# Altium PCB NGIStepDownPCB.PcbDoc (part 2 of 2)
Units mm, origin at the board's own origin, x right, y up, seen from the top; angles counter-clockwise.
Board outline 160 x 100 mm, 2 copper layers (Top Layer, Bottom Layer); 156 components, 77 nets, 437 pads, 449 vias.
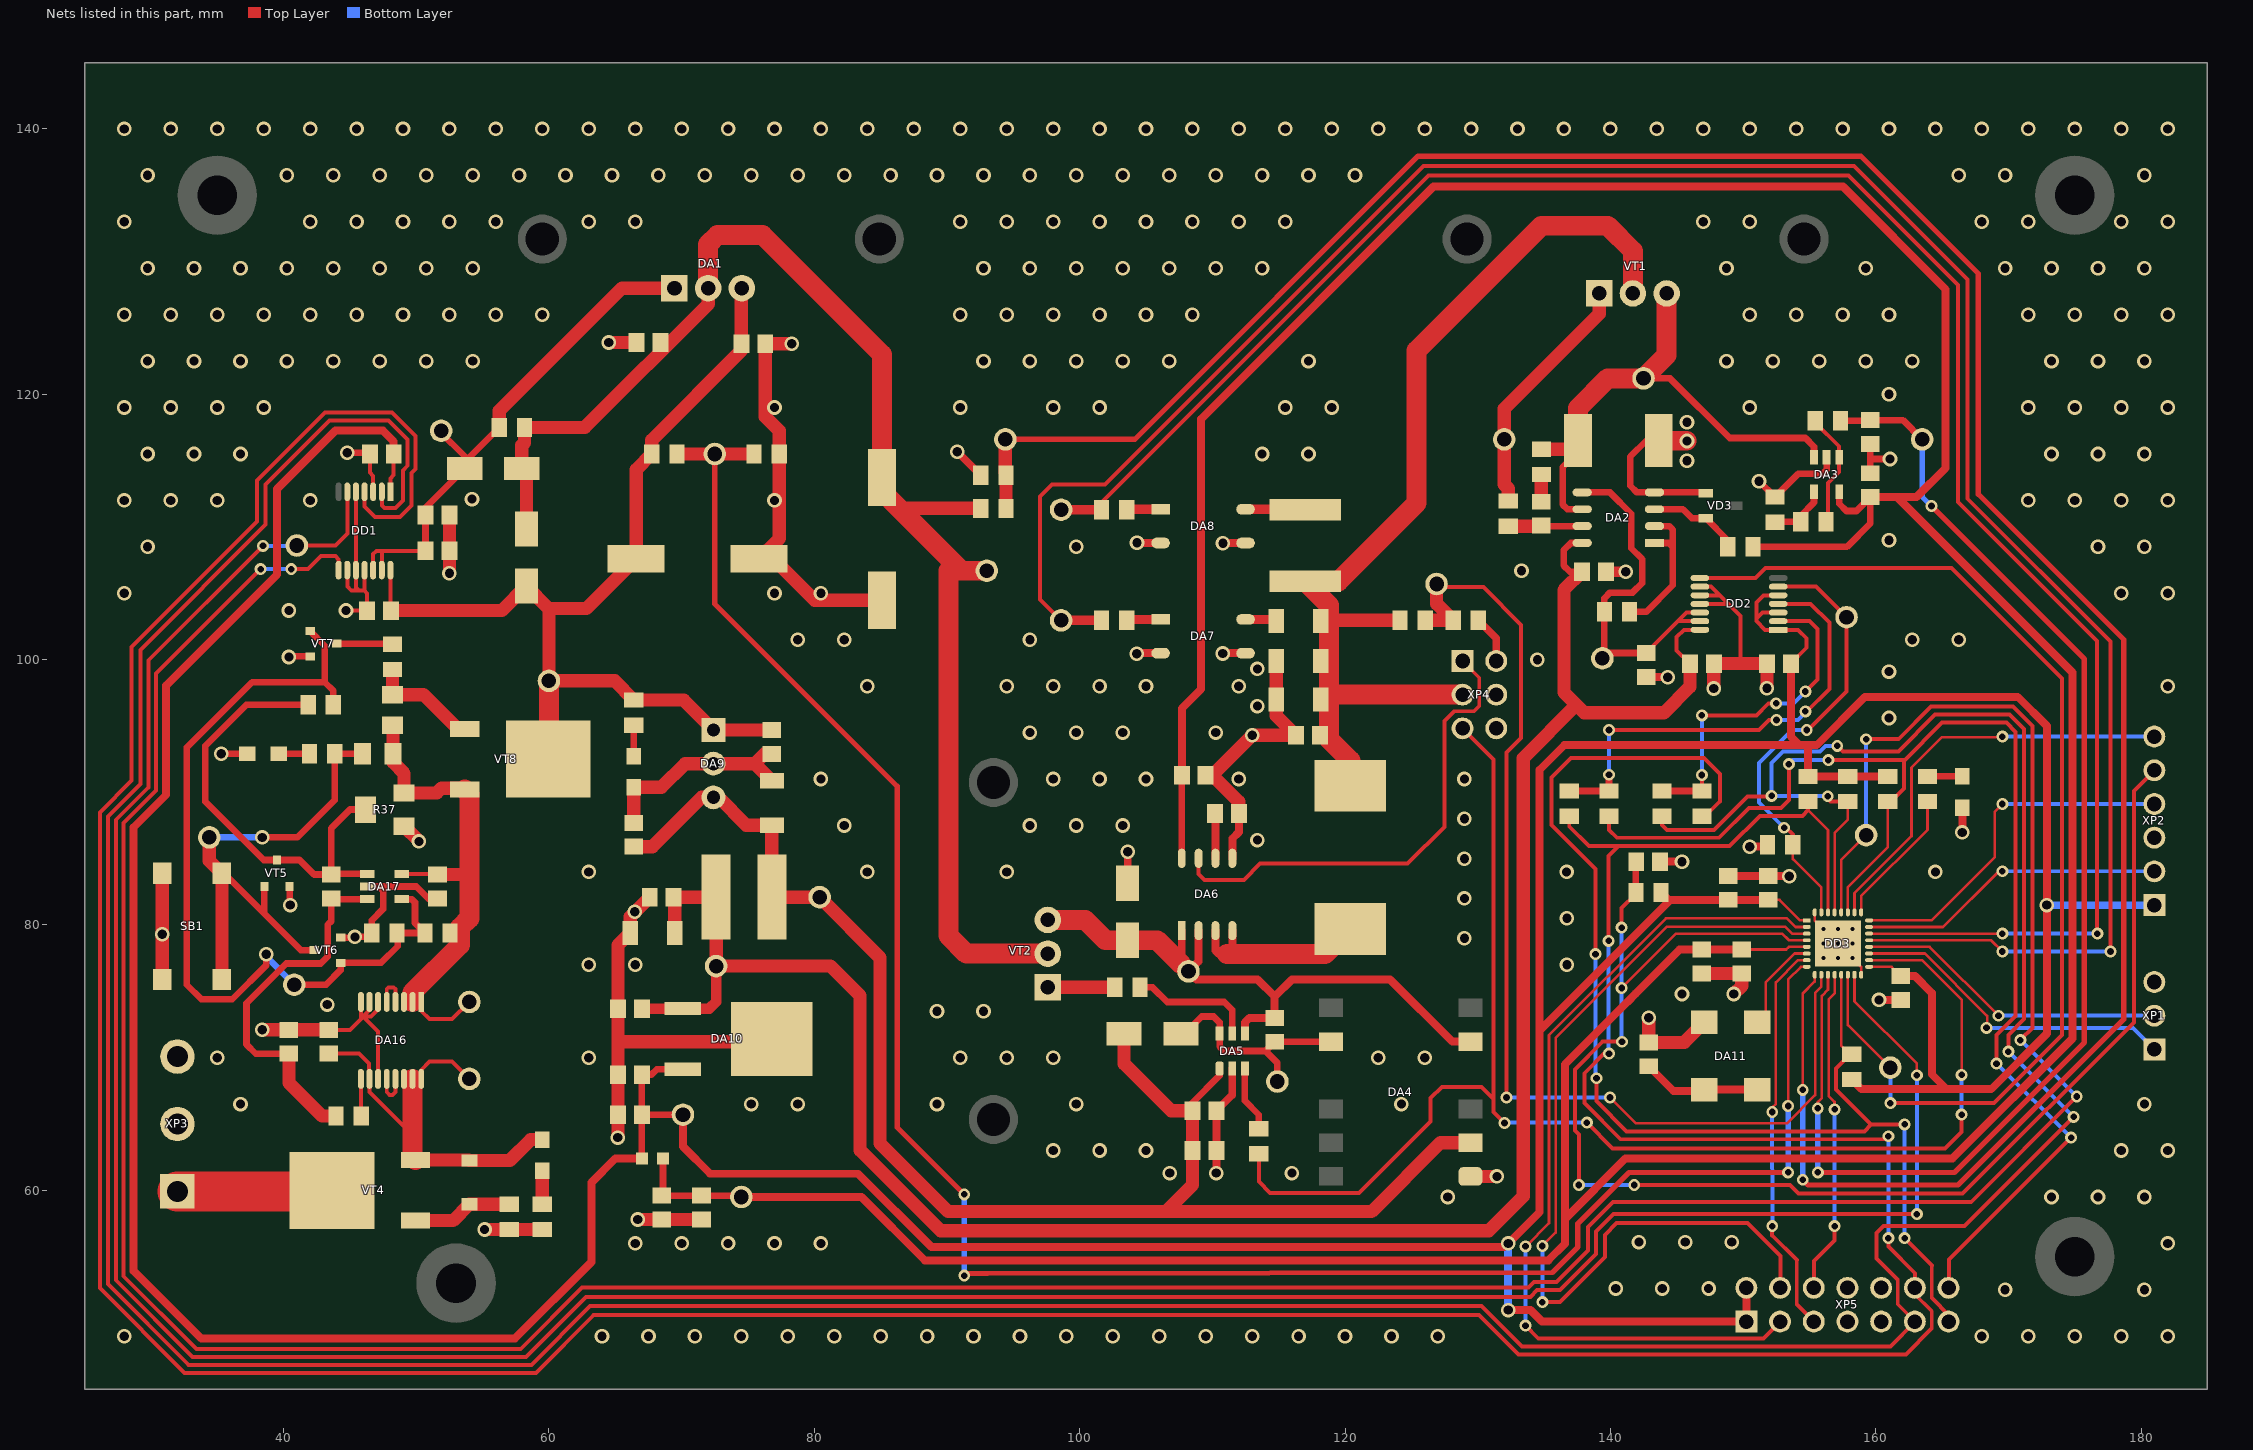
[diagram p2: the nets of this part, all layers, seen from the top]

## Via types
v1: diameter 1.1, hole 0.7, Top Layer to Bottom Layer, tented both sides, 367 vias
v2: diameter 0.9, hole 0.5, Top Layer to Bottom Layer, tented both sides, 73 vias
v3: diameter 0.7, hole 0.3, Top Layer to Bottom Layer, 9 vias

## Nets (pads, with @x,y where several pads share a name; then routed paths per layer and width w, separated by ;. In a path a pad name is that pad's centre, name@x,y a point inside that pad or via, vN(x,y) a via of type N, cw(c..) or ccw(c..) an arc to the next point about the centre after c; other vN are vias at no path point)
+3.3V: C7.2 C9.2 C32.2 C33.2 C36.2 C37.2 C38.2 DA10.3 DD1.1 DD2.1 DD2.3 DD2.5 DD3.1 DD3.17 FB1.1 R20.2 R22.1 R23.2 R24.1 R25.1 TP8.1 XP2.1 XP5.1 XP5.2 | length 425.4
  Top Layer w0.2: C37.2@151.9,81.9 152.75,81.9 154.3,80.35 DD3.1@154.8,80.35 ; DD3.17@159.5,76.85 161.2,76.85 C38.2@161.9,76.15
  Top Layer w0.3: DD1.1@48.05,112.65 48.05,113.65 48.3,113.9 C7.2@48.3,115.5 ; DD2.3@152.65,103.55 151.45,103.55 151,103.1 ; DD2.5@152.65,104.85 151.55,104.85 151,104.3 151,103.1 ; C9.2@153.6,99.7 154.8,100.9 154.8,101.6 154.15,102.25 DD2.1@152.65,102.25 151.65,102.25 151,102.9 151,103.1
  Top Layer w0.5: FB1.1@67,62.4 C33.2@67,65.7 ; TP8.1@70.1,65.7 C33.2@67,65.7 ; DA10.3@70.1,69.12 68.12,69.12 67.7,68.7 C32.2@67,68.7 C33.2@67,65.7
  Top Layer w0.6: C7.2@48.3,115.5 48.3,116.45 47.475,117.275 43.915,117.275 39.5,112.86 39.5,106.4 31.15,98.05 31.15,89.817 28.7,87.367 28.7,53.925 33.8,48.825 57.425,48.825 63.2,54.6 63.2,60.6 65,62.4 FB1.1@67,62.4 ; TP8.1@70.1,65.7 70.1,63.3 72.15,61.25 83.3,61.25 88.825,55.725 v1@131.975,55.725 ; v1(132.3,50.975) 133.99,50.975 134.855,50.11 XP5.1@150.25,50.11 XP5.2@150.25,52.65 ; v1(132.3,56) 134.675,58.375 134.675,72.05 ; R20.2@143.825,82.45 144.375,81.9 144.525,81.9 ; C37.2@151.9,81.9 C36.2@148.9,81.9 144.525,81.9 ; C9.2@153.6,99.7 153.6,94.2 154.25,93.55 ; 154.9,93.425 R22.1@154.9,91.2 R23.2@157.9,91.2 R24.1@160.9,91.2 ; R25.1@158.25,68.3 158.925,67.625 165.35,67.625 ; C38.2@161.9,76.15 162.95,76.15 164.225,74.875 164.225,68.75 165.35,67.625 ; 134.675,72.05 134.675,91.7 136.525,93.55 154.25,93.55 ; 134.675,72.05 144.525,81.9 ; 154.25,93.55 155.55,93.55 159.2,97.2 170.7,97.2 172.9,95 v1(172.9,81.5) 172.9,73.15 172.9,71.825 168.7,67.625 165.35,67.625
  Bottom Layer w0.6: v1(132.3,50.975) v1(132.3,56) ; v1@172.9,81.477 XP2.1@181,81.5
+12V: C16.2 C17.1 C27.2 C28.2 DA4.2 DA5.1 DA9.3 L2.1 TP6.1 VD5.A | length 112.4
  Top Layer w0.5: C16.2@108.5,66 108.5,66.6 110.55,68.65 DA5.1@110.55,69.175
  Top Layer w1: C28.2@66.4,85.9 67.8,85.9 71.52,89.62 DA9.3@72.4,89.62 72.78,89.62 74.875,87.525 C27.2@76.8,87.525 L2.1@76.8,82.1 TP6.1@80.4,82.1 84.95,77.55 84.95,63.55 90.1,58.4 106.5,58.4 ; VD5.A@103.35,71.8 103.35,69.55 106.9,66 C16.2@108.5,66 C17.1@108.5,63 108.5,60.4 106.5,58.4 ; DA4.2@129.45,63.59 127.19,63.59 122,58.4 106.5,58.4
+24V: VT4.2 XP3.1 | length 11.7
  Top Layer w3: XP3.1@32,59.92 43.57,59.92 VT4.2@43.65,60
+24V_Protect: C1.1 C2.1 C8.2 C26.2 DA1.3 DA9.1 DD1.14 R1.1 R44.2 TP3.1 VD1.C VT8.2 | length 78
  Top Layer w0.3: DD1.14@48.05,106.75 48.05,103.75 C8.2@48.1,103.7
  Top Layer w1: C8.2@48.1,103.7 56.45,103.7 VD1.C@58.3,105.55 60,103.85 ; DA1.3@74.54,128 74.5,127.96 C2.1@74.5,123.8 74.5,123.3 67.75,116.55 R1.1@67.75,115.5 66.575,114.325 C1.1@66.575,107.6 62.825,103.85 60,103.85 ; C26.2@76.8,94.7 DA9.1@72.4,94.7 70.15,96.95 R44.2@66.4,96.95 64.95,98.4 TP3.1@60,98.4 60,103.85
  Top Layer w1.5: VT8.2@59.95,92.5 60,92.55 TP3.1@60,98.4
+A3.3V: C14.2 C19.2 C34.2 C35.2 C39.2 C40.2 DA3.5 DA6.8 DD3.5 FB1.2 R6.2 TP9.1 | length 334.8
  Top Layer w0.2: C40.2@149.9,78.15 153.25,78.15 153.45,78.35 DD3.5@154.8,78.35
  Top Layer w0.5: FB1.2@68.6,62.4 68.6,59.7 C35.2@68.5,59.6 C34.2@71.5,59.6 74.4,59.6 TP9.1@74.5,59.5 ; DA6.8@107.695,85.025 107.695,91.295 C19.2@107.7,91.3 ; R6.2@150.75,108.5 157.825,108.5 159.6,110.275 C14.2@159.6,112.25 158.55,111.2 157.8,111.2 157.25,111.75 DA3.5@157.25,112.65
  Top Layer w0.6: TP9.1@74.5,59.5 83.55,59.5 88.325,54.725 135.325,54.725 136.575,55.975 136.575,57.85 ; C19.2@107.7,91.3 107.7,96.325 109.15,97.775 109.15,118.125 126.675,135.65 157.525,135.65 165.275,127.9 165.275,114.45 163.075,112.25 161.6,112.25 ; C40.2@149.9,78.15 C39.2@146.9,78.15 145.225,78.15 141.9,74.825 141.9,74.815 141.285,74.2 141.275,74.2 136.575,69.5 136.575,57.85 ; C14.2@159.6,112.25 161.6,112.25 ; 136.575,57.85 141.125,62.4 165.772,62.4 174.825,71.453 174.825,99.025 161.6,112.25
+A12V: C10.2 C13.2 C29.2 C30.2 C31.2 DA2.8 DA10.1 DD2.14 L2.2 TP7.1 | length 166.4
  Top Layer w0.3: C10.2@146,99.7 145,100.7 145,101.7 145.55,102.25 DD2.14@146.75,102.25
  Top Layer w0.5: C13.2@137.875,106.625 136.95,106.625 136.475,107.1 136.475,108.25 137.02,108.795 DA2.8@137.875,108.795
  Top Layer w0.8: C31.2@67,73.7 DA10.1@70.1,73.7 72.075,73.7 72.6,74.225 TP7.1@72.6,76.9
  Top Layer w1: C29.2@69.475,79.4 69.475,82.025 C30.2@69.4,82.1 L2.2@72.6,82.1 TP7.1@72.6,76.9 81.225,76.9 83.45,74.675 83.45,63.025 89.525,56.95 130.825,56.95 133.425,59.55 133.425,92.575 137.438,96.588 ; C13.2@137.875,106.625 136.5,105.25 136.5,97.525 137.438,96.588 ; C10.2@146,99.7 146,97.95 144.05,96 138.025,96 137.438,96.588
+Vdc_dc: C21.2 C22.2 C23.2 C24.2 C25.2 L1.2 R18.2 VT1.2 XP4.3 | length 78.9
  Top Layer w1: 118.8,102.9 118.86,102.96 R18.2@124.15,102.96
  Top Layer w1.5: L1.2@120.4,90.5 120.4,92.4 118.8,94 118.8,97 ; XP4.3@128.86,97.36 119.16,97.36 118.8,97 ; VT1.2@141.7,127.6 141.7,130.8 139.8,132.7 134.8,132.7 125.4,123.3 125.4,111.8 119.5,105.9 C25.2@117,105.9 118.8,104.1 118.8,102.9 118.8,97
+Vin_PolProt: C53.2 DA16.10 DA16.14 DA16.15 DA16.16 TP1.1 VD8.1 VD9.A VT4.3 | length 32.3
  Top Layer w0.3: C53.2@43.4,70.3 45.7,70.3 46.45,69.55 46.45,68.425 DA16.10@46.475,68.4 46.475,67.425 49.725,64.175 ; DA16.15@49.725,68.4 DA16.16@50.375,68.4 50.375,69.075 51,69.7 52.7,69.7 TP1.1@54,68.4
  Top Layer w1: VT4.3@49.95,62.28 53.97,62.28 VD8.1@54,62.25 57.05,62.25 58.625,63.825 VD9.A@59.5,63.825
  Top Layer w1.5: DA16.15@49.725,68.4 49.725,64.175 49.725,62.505 VT4.3@49.95,62.28
+Vin_PolProt_Isens: C55.2 DA16.1 DA16.2 DA16.3 DA17.5 R37.3 R39.2 R40.2 R42.2 TP2.1 VT8.3 | length 38.5
  Top Layer w0.3: DA17.5@48.9,83.85 51.55,83.85 C55.2@51.6,83.8 ; DA16.1@50.375,74.2 50.375,73.525 51,72.9 52.7,72.9 TP2.1@54,74.2
  Top Layer w1: R42.2@48.2,95.05 48.25,95 R40.2@48.25,92.9 48.25,92.25 49.075,91.425 R37.3@49.075,89.95 51.55,89.95 51.9,90.3 53.57,90.3 VT8.3@53.65,90.22 ; C55.2@51.6,83.8 53.6,83.8 54,83.4
  Top Layer w1.5: DA16.2@49.725,74.2 49.725,74.925 53.3,78.5 53.3,79.8 54,80.5 54,83.4 54,89.87 VT8.3@53.65,90.22
+Vvar: C5.1 C6.2 DA1.2 R3.2 R4.1 TP10.1 VD1.A VD2.C VT2.2 | length 110.6
  Top Layer w1: VD1.A@58.3,109.85 58.3,114.05 VD2.C@57.95,114.4 57.95,116.15 58.15,116.35 R3.2@58.15,117.5 62.7,117.5 72,126.8 DA1.2@72,128 ; 86.4,111.4 R4.1@92.55,111.4
  Top Layer w1.5: DA1.2@72,128 72,131.3 72.7,132 76.1,132 85.1,123 C5.1@85.1,113.725 85.1,112.7 86.4,111.4 91.1,106.7 ; TP10.1@93,106.7 91.1,106.7 ; VT2.2@97.6,77.84 91.46,77.84 90.1,79.2 90.1,106.7 91.1,106.7
CLK_IN: DA11.3 DD3.6 | length 7.3
  Top Layer w0.2: DA11.3@151.075,72.665 151.7,73.29 151.7,75.675 153.875,77.85 DD3.6@154.8,77.85
Comp: DA17.4 R38.2 R39.1 R45.2 TP4.1 VT6.1 VT7.1 | length 64.3
  Top Layer w0.5: v1(38.7,77.8) 38.7,76.972 36.128,74.4 33.8,74.4 32.7,75.5 32.7,93.375 37.625,98.3 43.1,98.3 ; TP4.1@40.8,75.5 43.2,75.5 44.3,76.6 VT6.1@44.3,77.15 47.35,77.15 48.6,78.4 48.6,79.35 R45.2@48.55,79.4 R39.1@50.65,79.4 49.9,80.15 49.9,81.7 49.65,81.95 DA17.4@48.9,81.95 ; VT7.1@42,102.15 43.1,101.05 43.1,98.3 ; R38.2@43.75,96.6 43.75,97.65 43.1,98.3
  Bottom Layer w0.5: v1(38.7,77.8) 38.7,77.6 TP4.1@40.8,75.5
GND: C1.2 C2.2 C3.1 C4.1 C5.2 C6.1 C7.1 C8.1 C9.1 C10.1 C11.1 C13.1 C14.1 C15.1 C16.1 C17.2 C19.1 C20.1 C21.1 C22.1 C23.1 C26.1 C27.1 C28.1 C29.1 C30.1 C31.1 C32.1 C33.1 C34.1 C35.1 C36.1 C37.1 C38.1 C39.1 C40.1 C41.1 C42.1 C53.1 C54.1 C55.1 DA2.4 DA3.2 DA4.1 DA5.2 DA6.5 DA7.2 DA7.3 DA8.2 DA8.3 DA9.2 DA10.2 DA11.2 DA16.6 DA16.7 DA16.8 DA16.11 DA17.2 DD1.3 DD1.5 DD1.9 DD1.10 DD1.11 DD2.9 DD2.10 DD2.11 DD3.16 DD3.32 DD3.33 R2.2 R5.2 R10.1 R11.2 R19.1 R21.2 R34.1 R35.1 R37.1 R45.1 SB1.1 SB1.2 VD3.1 VD4.A VD7.C VD10.C VD11.C VT5.2 VT6.2 VT7.2 XP1.3 XP2.3 XP3.2 XP3.3 XP4.2 XP4.4 XP4.6 XP5.7 XP5.8 XP5.9 XP5.10 | length 278.6
  Top Layer w0.2: DD3.32@155.4,80.95 155.4,80.35 v3(156.05,79.7) v3(157.15,78.6) v3(158.25,77.5) 158.9,76.85 DD3.16@158.9,76.25
  Top Layer w0.3: C53.1@43.4,72.1 45,72.1 45.825,72.925 ; v1(44.7,103.7) C8.1@46.3,103.7 46.3,105 46.1,105.2 ; DD1.9@44.8,106.75 44.8,105.5 45.1,105.2 45.7,105.2 ; DD1.5@45.45,112.65 DD1.10@45.45,106.75 45.45,105.45 45.7,105.2 ; DA16.8@45.825,74.2 45.825,72.925 ; DD1.11@46.1,106.75 46.1,105.2 ; DA16.7@46.475,74.2 46.475,73.575 46,73.1 ; C7.1@46.5,115.5 46.5,114.1 46.75,113.85 DD1.3@46.75,112.65 ; DA16.11@47.125,68.4 47.125,71.975 46,73.1 ; DA16.6@47.125,74.2 47.125,73.625 46.6,73.1 46,73.1 ; DD2.11@146.75,104.2 148.9,104.2 ; DD2.10@146.75,104.85 148.25,104.85 ; DD2.9@146.75,105.5 147.6,105.5 148.25,104.85 ; 149.8,99.7 149.8,103.3 148.9,104.2 ; 45.7,105.2 46.1,105.2 ; 45.825,72.925 46,73.1 ; 148.25,104.85 148.9,104.2
  Top Layer w0.5: v1(35.3,92.9) VD10.C@37.275,92.9 ; v1(40.4,100.2) 40.35,100.25 VT7.2@42,100.25 ; VT5.2@40.45,82.9 40.45,81.55 v1(40.5,81.5) ; VT6.2@44.2,79.05 45.325,79.05 v1(45.375,79.1) 46.35,79.1 R45.1@46.65,79.4 46.65,80.35 47.5,81.2 47.5,82.6 47.2,82.9 ; v1(44.8,115.6) 46.4,115.6 C7.1@46.5,115.5 ; DA17.2@46.3,82.9 47.2,82.9 ; C55.1@51.6,82 50.9,82 50,82.9 47.2,82.9 ; R10.1@143.65,116.5 142.7,116.5 141.5,115.3 141.5,113.1 141.995,112.605 DA2.4@143.325,112.605 147.145,112.605 VD3.1@147.2,112.55 ; v1(151.2,113.45) R11.2@152.4,112.25 154.15,114 156,114 156.3,114.3 DA3.2@156.3,115.25 ; C14.1@159.6,114.05 159.6,115.125 ; C15.1@159.6,116.25 159.6,115.125 ; v1(161.075,115.125) 159.6,115.125
  Top Layer w0.6: v1(90.775,115.675) R5.2@92.55,113.9 ; VD4.A@103.6,83.15 103.625,83.175 v1(103.625,85.525) ; v1(104.3,100.45) 104.34,100.49 DA7.2@106.1,100.49 ; v1(104.325,108.8) 104.335,108.79 DA8.2@106.1,108.79 ; v1(110.3,61.3) C17.2@110.3,63 C16.1@110.3,66 111.5,67.2 DA5.2@111.5,69.175 ; v1(110.79,100.465) 110.79,100.49 DA7.3@112.5,100.49 ; v1(110.8,108.775) 110.815,108.79 DA8.3@112.5,108.79 ; DA6.5@111.505,85.025 111.505,86.505 112,87 C20.1@112,88.4 ; R19.1@130.05,102.96 131.4,101.61 XP4.2@131.4,99.9 ; C11.1@142.7,98.7 142.725,98.675 v1(144.325,98.675) ; C41.1@143.75,84.775 v1(145.4,84.775) ; C36.1@148.9,83.7 C37.1@151.9,83.7 v1@153.45,83.7 ; v1(150.5,85.9) 151.55,85.9 151.625,85.975 R21.2@151.65,85.95 ; v1(160.25,74.35) C38.1@161.9,74.35 ; v1(166.525,86.975) VD7.C@166.525,88.85
  Top Layer w0.8: C13.1@139.675,106.625 v1(141.15,106.625)
  Top Layer w1: SB1.1@30.85,75.9 v1(30.85,79.3) SB1.2@30.85,83.9 ; v1(38.4,72.1) C54.1@40.4,72.1 C53.1@43.4,72.1 ; R37.1@49.075,87.45 50.225,86.3 v1(50.2,86.3) ; v1(52.5,106.5) C4.1@52.5,108.2 C3.1@52.5,110.9 ; v1(55.15,57.05) R34.1@57,57.05 R35.1@59.5,57.05 ; v1(64.5,123.9) C6.1@66.6,123.9 ; v1(65.175,63.975) 65.2,64 C33.1@65.2,65.7 C32.1@65.2,68.7 65.2,71.2 ; C28.1@66.4,87.7 VD11.C@66.4,90.375 68.475,90.375 70.26,92.16 DA9.2@72.4,92.16 75.515,92.16 ; v1(66.7,57.8) C35.1@68.5,57.8 C34.1@71.5,57.8 ; C30.1@67.6,82.1 66.5,81 v1(66.475,81) 66.475,80.975 66.125,80.625 C29.1@66.125,79.4 65.2,78.475 C31.1@65.2,73.7 65.2,71.2 ; DA10.2@76.8,71.41 76.59,71.2 65.2,71.2 ; C27.1@76.8,90.875 75.515,92.16 ; C26.1@76.8,92.9 76.255,92.9 75.515,92.16 ; v1(78.3,123.8) C2.2@76.3,123.8 76.3,118.3 77.35,117.25 R2.2@77.35,115.5 77.35,109.125 C1.2@75.825,107.6 76.9,107.6 80.025,104.475 C5.2@85.1,104.475 ; C19.1@109.5,91.3 C19.1@110,91.3 ; C20.1@112,88.4 112,89.3 C19.1@110,91.3 ; C22.1@114.825,99.9 C21.1@114.825,97 114.825,95.775 C23.1@116.3,94.3 v1(113,94.3) C19.1@110,91.3 ; DA4.1@129.45,61.05 v1(131.45,61.05) ; v1(142.9,73) C42.1@142.9,71.15 145.56,71.15 DA11.2@147.075,72.665 ; C39.1@146.9,76.35 C40.1@149.9,76.35 149.9,75.4 v1(149.3,74.8) ; v1(147.8,97.825) C10.1@147.8,99.7 149.8,99.7 C9.1@151.8,99.7 v1(151.8,97.85)
  Top Layer w1.5: R10.1@143.65,116.5 v1@145.75,116.5
  other v1: 28,49 64,49 67.5,49 71,49 74.5,49 78,49 81.5,49 85,49 88.5,49 92,49 95.5,49 99,49 102.5,49 106,49 109.5,49 113,49 116.5,49 120,49 123.5,49 127,49 168,49 171.5,49 175,49 178.5,49 182,49 169.75,52.5 180.25,52.5 140.4,52.6 143.9,52.6 147.4,52.6 66.5,56 70,56 73.5,56 77,56 80.5,56 182,56 142.15,56.1 145.65,56.1 149.15,56.1 127.75,59.5 173.25,59.5 176.75,59.5 180.25,59.5 106.8,61.3 116,61.3 98,63 101.5,63 105,63 178.5,63 182,63 36.75,66.5 75.25,66.5 78.75,66.5 89.25,66.5 99.75,66.5 124.25,66.5 180.25,66.5 35,70 63,70 91,70 94.5,70 98,70 122.5,70 126,70 89.25,73.5 92.75,73.5 43.3,74 145.4,74.8 63,77 66.5,77 136.725,77 129,79 136.725,80.5 129,82 153.475,83.675 63,84 84,84 94.5,84 136.7,84 164.5,84 129,85 113.4,86.4 82.25,87.5 96.25,87.5 99.75,87.5 103.25,87.5 129,88 80.5,91 98,91 101.5,91 105,91 112,91 129,91 96.25,94.5 99.75,94.5 103.25,94.5 110.25,94.5 161,95.6 113.4,96.5 84,98 94.5,98 98,98 101.5,98 105,98 112,98 182,98 161,99.1 113.4,99.3 134.5,100 78.75,101.5 82.25,101.5 96.25,101.5 162.75,101.5 166.25,101.5 40.4,103.7 28,105 77,105 80.5,105 178.5,105 182,105 133.3,106.7 29.75,108.5 99.75,108.5 176.75,108.5 180.25,108.5 161,109 28,112 31.5,112 35,112 42,112 77,112 171.5,112 175,112 178.5,112 182,112 54.2,112.1 145.775,115 29.75,115.5 33.25,115.5 36.75,115.5 113.75,115.5 117.25,115.5 173.25,115.5 176.75,115.5 180.25,115.5 145.775,116.475 145.775,117.9 28,119 31.5,119 35,119 38.5,119 77,119 91,119 98,119 101.5,119 115.5,119 119,119 150.5,119 171.5,119 175,119 178.5,119 182,119 161,120 29.75,122.5 33.25,122.5 36.75,122.5 40.25,122.5 43.75,122.5 47.25,122.5 50.75,122.5 54.25,122.5 92.75,122.5 96.25,122.5 99.75,122.5 103.25,122.5 106.75,122.5 117.25,122.5 148.75,122.5 152.25,122.5 155.75,122.5 159.25,122.5 162.75,122.5 173.25,122.5 176.75,122.5 180.25,122.5 28,126 31.5,126 35,126 38.5,126 42,126 45.5,126 49,126 52.5,126 56,126 59.5,126 91,126 94.5,126 98,126 101.5,126 105,126 108.5,126 150.5,126 154,126 157.5,126 161,126 171.5,126 175,126 178.5,126 182,126 29.75,129.5 33.25,129.5 36.75,129.5 40.25,129.5 43.75,129.5 47.25,129.5 50.75,129.5 54.25,129.5 92.75,129.5 96.25,129.5 99.75,129.5 103.25,129.5 106.75,129.5 110.25,129.5 113.75,129.5 148.75,129.5 159.25,129.5 169.75,129.5 173.25,129.5 176.75,129.5 180.25,129.5 28,133 42,133 45.5,133 49,133 52.5,133 56,133 63,133 66.5,133 91,133 94.5,133 98,133 101.5,133 105,133 108.5,133 112,133 115.5,133 147,133 150.5,133 168,133 171.5,133 178.5,133 182,133 29.75,136.5 40.25,136.5 43.75,136.5 47.25,136.5 50.75,136.5 54.25,136.5 57.75,136.5 61.25,136.5 64.75,136.5 68.25,136.5 71.75,136.5 75.25,136.5 78.75,136.5 82.25,136.5 85.75,136.5 89.25,136.5 92.75,136.5 96.25,136.5 99.75,136.5 103.25,136.5 106.75,136.5 110.25,136.5 113.75,136.5 117.25,136.5 120.75,136.5 166.25,136.5 169.75,136.5 180.25,136.5 28,140 31.5,140 35,140 38.5,140 42,140 45.5,140 49,140 52.5,140 56,140 59.5,140 63,140 66.5,140 70,140 73.5,140 77,140 80.5,140 84,140 87.5,140 91,140 94.5,140 98,140 101.5,140 105,140 108.5,140 112,140 115.5,140 119,140 122.5,140 126,140 129.5,140 133,140 136.5,140 140,140 143.5,140 147,140 150.5,140 154,140 157.5,140 161,140 164.5,140 168,140 171.5,140 175,140 178.5,140 182,140
  other v3: 156.05,77.5 157.15,77.5 156.05,78.6 158.25,78.6 157.15,79.7 158.25,79.7
I2C1_SCL: DD1.2 DD3.29 R23.1 R48.1 XP5.11 | length 335.6
  Top Layer w0.2: DD3.29@156.9,80.95 156.9,86.943 157.9,87.943 R23.1@157.9,89.3
  Top Layer w0.27: 161.65,53.275 161.67,53.255 161.67,51.41 XP5.11@162.98,50.1
  Top Layer w0.3: DD1.2@47.4,112.65 47.4,111.625 47.6,111.425 48.425,111.425 49,112 49,114.264 49.35,114.614 49.35,116.597 47.922,118.025 43.475,118.025 38.65,113.2 38.65,110.175 29.2,100.725 29.2,90.625 26.75,88.175 26.75,52.95 32.85,46.85 58.675,46.85 63.1,51.275 130.3,51.275 133.34,48.235 161.115,48.235 XP5.11@162.98,50.1 ; R48.1@143.9,88.2 143.9,87.55 144.275,87.175 147.825,87.175 150.329,89.679 v2@152.157,89.679 ; v2(156.383,89.704) 156.383,89.492 156.575,89.3 R23.1@157.9,89.3 ; v2(157.1,93.5) 157.525,93.075 161.7,93.075 164.475,95.85 170.096,95.85 171.175,94.771 171.175,72.9 170,71.725 v2(170,70.45) ; 161.65,53.275 160.05,54.875 160.05,56.773 160.577,57.3 166.675,57.3 v2(174.913,65.538)
  Bottom Layer w0.3: v2(156.383,89.704) 152.182,89.704 v2(152.157,89.729) 152.157,92.207 153.025,93.075 155.802,93.075 156.227,93.5 v2(157.1,93.5) ; v2(170,70.45) v2(174.913,65.538)
I2C1_SDA: DD1.4 DD3.30 R22.2 R49.1 XP5.12 | length 325.9
  Top Layer w0.2: 154.9,88.65 156.4,87.15 DD3.30@156.4,80.95
  Top Layer w0.27: XP5.12@162.95,52.65 162.95,52.175 164.225,50.9 164.225,49.598
  Top Layer w0.3: DD1.4@46.1,112.65 46.1,111.55 46.9,110.75 48.778,110.75 49.65,111.622 49.65,114.065 49.95,114.365 49.95,116.846 48.171,118.625 43.125,118.625 38,113.5 38,110.4 28.55,100.95 28.55,90.875 26.15,88.475 26.15,52.625 32.525,46.25 59.025,46.25 63.375,50.6 130.1,50.6 133.065,47.635 162.278,47.635 164.22,49.577 ; R49.1@136.9,88.2 136.9,87.425 138.387,85.938 140.61,85.938 ; v2(139.875,78.8) 139.875,85.203 140.61,85.938 ; v2(139.9,70.3) 139.525,70.3 138.05,68.825 138.051,68.824 138.05,68.823 138.05,68.077 138.051,68.076 138.051,66.574 140.775,63.85 160.725,63.85 v2(160.95,64.075) ; R22.2@154.9,89.3 154.9,88.65 154.479,88.229 151.261,88.229 148.969,85.938 140.61,85.938 ; v2(160.95,56.4) 160.95,55.75 162.95,53.75 XP5.12@162.95,52.65
  Bottom Layer w0.3: v2@139.875,70.325 v2(139.875,78.8) ; v2(160.95,56.4) v2(160.95,64.075)
I2C2_SCL: DD2.2 R46.2 R48.2 | length 25.5
  Top Layer w0.3: R46.2@146.9,90.1 v2(146.9,91.3) ; v2(146.9,95.8) 151,95.8 151.9,96.7 v2(152.5,96.7) ; DD2.2@152.65,102.9 155,102.9 155.6,102.3 155.6,98.5 v2(154.7,97.6)
  Top Layer w0.5: R48.2@143.9,90.1 R46.2@146.9,90.1
  Bottom Layer w0.3: v2(146.9,91.3) v2(146.9,95.8) ; v2(152.5,96.7) 153.8,96.7 v2(154.7,97.6)
I2C2_SDA: DD2.4 R47.2 R49.2 | length 35
  Top Layer w0.3: v2(139.9,94.7) 151.2,94.7 151.95,95.45 v2(152.525,95.45) ; DD2.4@152.65,104.2 155.1,104.2 156.5,102.8 156.5,97.8 154.8,96.1 v2(154.7,96.1)
  Top Layer w0.5: R49.2@136.9,90.1 R47.2@139.9,90.1 v2(139.9,91.325)
  Bottom Layer w0.3: v2(139.9,91.325) v2(139.9,94.7) ; v2(152.525,95.45) 154.15,95.45 154.7,96 v2(154.7,96.1)
I2C3_SCL: DD3.13 R25.2 R46.1 XP5.13 | length 97.1
  Top Layer w0.2: DD3.13@157.4,76.25 157.4,70.9 157.575,70.725 R25.2@157.575,70.2 ; R25.2@158.075,70.25 R25.2@158.2,70.25
  Top Layer w0.27: 164.225,51.875 164.225,54.35
  Top Layer w0.3: v2(138.875,77.8) 138.875,84.225 135.575,87.525 135.575,91.125 137.05,92.6 147.05,92.6 148.275,91.375 148.275,89.325 147.15,88.2 R46.1@146.9,88.2 ; v2(138.95,68.45) 138.95,66.725 141.225,64.45 159.15,64.45 159.657,64.957 157,67.614 157,69.175 R25.2@158.075,70.25 ; 159.657,64.975 v2(162.175,64.975) ; v2(162.175,56.4) 164.225,54.35 ; 164.225,51.875 165.52,50.58 XP5.13@165.52,50.1
  Bottom Layer w0.3: v2@138.875,68.525 v2(138.875,77.8) ; v2(162.175,56.4) v2(162.175,64.975)
I2C3_SDA: DD3.27 R24.2 R47.1 XP5.14 | length 99.7
  Top Layer w0.2: DD3.27@157.9,80.95 157.9,82.85 160.9,85.85 R24.2@160.9,89.3
  Top Layer w0.3: R47.1@139.9,88.2 139.9,87.175 140.5,86.575 148.2,86.575 150.454,88.829 152.854,88.829 153.45,89.425 v2(153.45,92.125) ; v2(156.425,92.425) 162.125,92.425 ; R24.2@160.9,89.3 161.15,89.3 162.125,90.275 162.125,92.375 165,95.25 169.848,95.25 170.55,94.548 170.55,73.15 169.1,71.7 v2(169.1,69.55) ; XP5.14@165.52,52.65 165.52,54.77 v2(174.725,63.975)
  Bottom Layer w0.3: v2(153.45,92.125) 153.75,92.425 v2(156.425,92.425) ; v2@168.9,69.776 169.113,69.563 v2(174.725,63.975)
I_sens: C54.2 C56.1 DA17.3 R36.2 | length 28.2
  Top Layer w0.5: C54.2@40.4,70.3 37.9,70.3 37.2,71 37.2,74.1 40.2,77.1 42.8,77.1 43.325,77.625 43.325,80.025 43.6,80.3 C56.1@43.6,82 43.65,81.95 DA17.3@46.3,81.95
  Top Layer w1: C54.2@40.4,70.3 40.4,68.1 42.9,65.6 R36.2@43.95,65.6
IL: DA6.7 XP4.1 | length 36.6
  Top Layer w0.27: 128.225,96.1 129.725,96.1 130.125,96.5 130.125,98.635 XP4.1@128.86,99.9
  Top Layer w0.3: DA6.7@108.965,85.025 108.965,83.835 109.4,83.4 112.375,83.4 113.6,84.625 124.725,84.625 127.5,87.4 127.5,95.375 128.225,96.1
LED: DD3.25 R26.2 | length 10.4
  Top Layer w0.2: DD3.25@158.9,80.95 158.9,82.175 163.9,87.175 R26.2@163.9,89.3
NetC3_2: C3.2 C4.2 DA1.1 DD1.12 DD1.13 R3.1 TP13.1 VD2.A | length 39.6
  Top Layer w0.3: DD1.12@46.75,106.75 46.75,107.95 47,108.2 47.4,108.2 ; DD1.13@47.4,106.75 47.4,108.2 ; C4.2@50.7,108.2 47.4,108.2
  Top Layer w0.5: C4.2@50.7,108.2 C3.2@50.7,110.9 50.7,111.45 VD2.A@53.65,114.4 VD2.A@53.65,114.9 ; TP13.1@51.8,117.175 53.65,115.325 VD2.A@53.65,114.9 ; R3.1@56.25,117.5 VD2.A@53.65,114.9
  Top Layer w1: R3.1@56.25,117.5 56.25,118.75 65.5,128 DA1.1@69.46,128
NetC11_2: C11.2 DA2.5 DD2.12 DD2.13 R7.1 TP19.1 | length 28.1
  Top Layer w0.3: C11.2@142.7,100.5 145.1,102.9 ; DD2.13@146.75,102.9 145.1,102.9 ; DD2.12@146.75,103.55 145.75,103.55 145.1,102.9
  Top Layer w0.5: DA2.5@137.875,112.605 139.97,112.605 141.575,111 141.575,108.4 142.4,107.575 142.4,105.775 141.675,105.05 139.975,105.05 139.55,104.625 R7.1@139.55,103.6 TP19.1@139.55,100.25 ; TP19.1@139.4,100.1 TP19.1@139.55,100.25 ; C11.2@142.7,100.5 139.8,100.5 TP19.1@139.55,100.25
NetC12_1: C12.1 R8.2 | length 2
  Top Layer w1: C12.1@134.8,111.9 R8.2@134.8,113.95
NetC12_2: C12.2 DA2.7 R9.1 | length 5.6
  Top Layer w0.5: C12.2@134.8,110.1 134.765,110.065 DA2.7@137.875,110.065
  Top Layer w1: R9.1@132.3,110.05 134.75,110.05 C12.2@134.765,110.065
NetC18_1: C18.1 DA4.5 DA5.4 DA6.1 DA6.2 TP14.1 VD4.C VT2.3 | length 47.5
  Top Layer w0.6: DA6.1@107.695,79.575 107.695,77.005 TP14.1@108.2,76.5 ; DA6.2@108.965,79.575 108.965,77.265 TP14.1@108.2,76.5 ; DA5.4@112.45,71.825 112.45,72.65 112.8,73 C18.1@114.7,73 114.7,74.6 ; DA4.5@129.45,71.21 128.09,71.21 123.4,75.9 116,75.9 114.7,74.6 ; TP14.1@108.2,76.5 108.8,75.9 113.4,75.9 114.7,74.6
  Top Layer w1.5: VT2.3@97.6,80.38 100.42,80.38 101.95,78.85 VD4.C@103.6,78.85 105.85,78.85 TP14.1@107.695,77.005
NetC18_2: C18.2 DA4.8 DA5.6 TP16.1 VD5.C | length 16.9
  Top Layer w0.5: VD5.C@107.65,71.8 107.9,71.8 109.2,73.1 110.1,73.1 110.55,72.65 DA5.6@110.55,71.825 110.55,70.85 110.9,70.5 114,70.5 ; TP16.1@114.9,68.2 114.9,69.6 114,70.5 ; DA4.8@118.95,71.21 118.94,71.2 C18.2@114.7,71.2 114,70.5
NetC20_2: C20.2 DA6.6 | length 3.4
  Top Layer w0.6: C20.2@110.2,88.4 110.235,88.365 DA6.6@110.235,85.025
NetC24_1: C24.1 DA7.4 | length 2.4
  Top Layer w0.7: DA7.4@112.5,103.03 114.695,103.03 C24.1@114.825,102.9
NetC25_1: C25.1 DA8.4 | length 4.5
  Top Layer w0.7: DA8.4@112.5,111.33 116.97,111.33 C25.1@117,111.3
NetC42_2: C42.2 DA11.1 DA11.4 | length 9
  Top Layer w0.6: C42.2@142.9,69.35 144.775,67.475 146.965,67.475 DA11.1@147.075,67.585 DA11.4@151.075,67.585
NetDA2_1: DA2.1 DA2.2 R7.2 | length 11.3
  Top Layer w0.5: R7.2@141.45,103.6 142.7,103.6 144.7,105.6 144.7,108.5 ; DA2.1@143.325,108.795 144.405,108.795 144.7,108.5 ; DA2.2@143.325,110.065 144.435,110.065 144.7,109.8 144.7,108.5
NetDA2_3: DA2.3 R6.1 VD3.2 | length 7
  Top Layer w0.5: DA2.3@143.325,111.335 145.465,111.335 146.15,110.65 VD3.2@147.2,110.65 148.85,109 R6.1@148.85,108.5
NetDA2_6: DA2.6 DA3.3 R8.1 R10.2 TP21.1 VT1.3 | length 41.2
  Top Layer w0.5: R10.2@137.55,116.5 137.55,115.65 136.4,114.5 136.4,111.7 136.765,111.335 DA2.6@137.875,111.335 ; TP21.1@142.5,121.2 144.5,121.2 149,116.7 154.7,116.7 155.35,116.05 DA3.3@155.35,115.25
  Top Layer w1: R8.1@134.8,115.85 136.9,115.85 R10.2@137.55,116.5
  Top Layer w1.5: R10.2@137.55,116.5 137.55,118.95 139.8,121.2 TP21.1@142.5,121.2 144.24,122.94 VT1.3@144.24,127.6
NetDA3_1: DA3.1 R12.2 R13.1 | length 8.8
  Top Layer w0.3: R13.1@155.45,118 155.45,117.85 157.25,116.05 DA3.1@157.25,115.25 157.25,114.15 156.4,113.3 156.4,110.55 R12.2@156.25,110.4
NetDA3_4: DA3.4 R11.1 R12.1 | length 4.6
  Top Layer w0.5: R11.1@152.4,110.35 152.45,110.4 R12.1@154.35,110.4 154.35,110.85 155.35,111.85 DA3.4@155.35,112.65
NetDA5_3: DA5.3 R14.2 | length 5
  Top Layer w0.5: DA5.3@112.45,69.175 112.45,66.75 113.5,65.7 R14.2@113.5,64.65
NetDA5_5: DA5.5 R15.1 | length 9.4
  Top Layer w0.5: R15.1@104.55,75.3 105.5,75.3 106.6,74.2 110.9,74.2 111.5,73.6 DA5.5@111.5,71.825
NetDA6_3: DA6.3 DA6.4 L1.1 | length 14.5
  Top Layer w0.6: DA6.3@110.235,79.575 110.235,78.065 110.5,77.8 111.1,77.8 111.505,78.205 DA6.4@111.505,79.575
  Top Layer w1.5: 111.1,77.8 118.5,77.8 L1.1@120.4,79.7
NetDA7_1: DA7.1 R16.2 | length 2.6
  Top Layer w0.7: R16.2@103.55,102.96 103.62,103.03 DA7.1@106.1,103.03
NetDA8_1: DA8.1 R17.2 | length 2.6
  Top Layer w0.7: R17.2@103.55,111.3 103.58,111.33 DA8.1@106.1,111.33
NetDA16_4: DA16.4 DA16.5 | length 2.7
  Top Layer w0.3: DA16.5@47.775,74.2 47.775,75.175 47.9,75.3 48.3,75.3 48.425,75.175 DA16.4@48.425,74.2
NetDA16_9: DA16.9 R36.1 | length 2.8
  Top Layer w0.3: DA16.9@45.825,68.4 45.825,65.625 R36.1@45.85,65.6
NetDA16_12: DA16.12 DA16.13 | length 2.8
  Top Layer w0.3: DA16.12@47.775,68.4 47.775,67.425 48,67.2 48.2,67.2 48.425,67.425 DA16.13@48.425,68.4
NetR9_2: R9.2 TP20.1 VT1.1 | length 18.7
  Top Layer w1: R9.2@132.3,111.95 132.3,112.9 132,113.2 TP20.1@132,116.6 132,118.9 139.16,126.06 VT1.1@139.16,127.6
NetR15_2: R15.2 VT2.1 | length 5.1
  Top Layer w1: VT2.1@97.6,75.3 R15.2@102.65,75.3
NetR26_1: R26.1 VD7.A | length 2.6
  Top Layer w0.5: R26.1@163.9,91.2 VD7.A@166.525,91.2
NetR34_2: R34.2 VD8.2 VT4.1 | length 7.6
  Top Layer w1: VT4.1@49.95,57.72 52.77,57.72 VD8.2@54,58.95 R34.2@57,58.95
NetR35_2: R35.2 VD9.C | length 2.5
  Top Layer w1: R35.2@59.5,58.95 VD9.C@59.5,61.475
NetR40_1: R40.1 R41.2 SB1.3 SB1.4 TP5.1 VT5.1 VT6.3 | length 38.6
  Top Layer w0.5: SB1.4@35.35,83.9 35.5,83.9 38.55,80.85 ; v1(38.4,86.6) 41.025,86.6 43.85,89.425 R41.2@43.85,92.9 R40.1@45.95,92.9 ; VT5.1@38.55,82.9 38.55,80.85 ; VT6.3@42.2,78.1 41.3,78.1 38.55,80.85
  Top Layer w1: TP5.1@34.4,86.6 34.4,84.85 SB1.4@35.35,83.9 SB1.3@35.35,75.9
  Bottom Layer w0.5: TP5.1@34.4,86.6 v1(38.4,86.6)
NetR41_1: R41.1 VD10.A | length 2.3
  Top Layer w0.5: VD10.A@39.625,92.9 R41.1@41.95,92.9
NetR42_1: R42.1 R43.2 VT8.1 | length 8.4
  Top Layer w1: R43.2@48.2,99.25 R42.1@48.2,97.35 50.55,97.35 53.12,94.78 VT8.1@53.65,94.78
NetR43_1: R43.1 VT7.3 | length 4.2
  Top Layer w0.5: VT7.3@44,101.2 48.15,101.2 R43.1@48.2,101.15
NetR44_1: R44.1 VD11.A | length 2.3
  Top Layer w0.5: VD11.A@66.4,92.725 R44.1@66.4,95.05
NRST: C41.2 DD3.4 R20.1 XP2.5 | length 110.2
  Top Layer w0.2: v2(140.85,75.25) 144.95,79.35 152.95,79.35 153.45,78.85 DD3.4@154.8,78.85
  Top Layer w0.3: v2(137.625,60.4) 137.625,64.2 137.325,64.5 137.325,69.102 139.423,71.2 v2(140.875,71.2) ; v2(140.85,79.8) 140.85,81.275 R20.1@141.925,82.35 ; v2(141.8,60.4) 153.525,60.4 154.175,59.75 166.55,59.75 179.45,72.65 179.45,90.11 XP2.5@181,91.66
  Top Layer w0.5: R20.1@141.925,82.35 R20.1@141.925,82.45 C41.2@141.925,84.775
  Bottom Layer w0.3: v2(137.625,60.4) v2(141.8,60.4) ; v2(140.85,79.8) v2(140.85,75.25) 140.85,71.275 140.825,71.25 v2(140.875,71.2)
PA1: DD3.7 XP5.5 | length 29.9
  Top Layer w0.2: v2@152.232,66.277 152.475,66.519 152.475,75.682 154.143,77.35 154.557,77.35 DD3.7@154.8,77.35
  Top Layer w0.27: 154.05,51.41 154.05,54.75
  Top Layer w0.3: v2(152.2,57.3) 152.2,56.6 154.05,54.75 ; 154.05,51.41 XP5.5@155.36,50.1
  Bottom Layer w0.3: v2(152.2,65.9) 152.207,57.3 152.207,57.2 v2@152.207,57
PA6: DD3.12 XP5.6 | length 24.6
  Top Layer w0.2: v2(156.9,66.1) 156.891,66.671 156.475,67.075 156.45,67.1 156.45,74.4 156.9,74.85 DD3.12@156.9,76.25
  Top Layer w0.3: XP5.6@155.36,52.64 155.36,54.685 156.9,56.225 v2(156.9,57.3)
  Bottom Layer w0.3: v2(156.9,57.3) v2(156.9,66.1)
PC14: DD3.2 XP5.3 | length 65.7
  Top Layer w0.2: v2(133.6,55.775) 133.625,55.775 135.375,57.525 135.375,71.7 144.175,80.5 153.3,80.5 153.95,79.85 DD3.2@154.8,79.85
  Top Layer w0.3: v2(133.6,49.8) 134.565,48.835 151.555,48.835 XP5.3@152.82,50.1
  Bottom Layer w0.3: v2@133.6,50.225 v2(133.6,55.775)
PC15: DD3.3 XP5.4 | length 67.8
  Top Layer w0.2: v2(134.875,55.8) 134.875,55.825 135.875,56.825 135.875,71.477 144.273,79.875 153.175,79.875 153.7,79.35 DD3.3@154.8,79.35
  Top Layer w0.3: v2(134.875,51.575) 136.2,51.575 139.6,54.975 139.6,56.65 140.475,57.525 150.35,57.525 152.82,55.055 XP5.4@152.82,52.64
  Bottom Layer w0.3: v2(134.875,51.575) v2(134.875,55.8)
Ref: C56.2 DA17.1 R37.2 R38.1 VT5.3 | length 34.5
  Top Layer w0.5: R38.1@41.85,96.6 37.2,96.6 34.1,93.5 34.1,89.3 38.5,84.9 VT5.3@39.5,84.9 41.2,84.9 42.3,83.8 C56.2@43.6,83.8 ; R37.2@46.175,88.7 45,88.7 43.6,87.3 C56.2@43.6,83.8 ; DA17.1@46.25,83.8 DA17.1@46.3,83.85 43.65,83.85 C56.2@43.6,83.8
S\H\D\N\_\D\D\1\: DD1.8 DD3.28 TP23.1 | length 281.1
  Top Layer w0.2: DD3.28@157.4,80.95 157.4,84.9 TP23.1@159.275,86.775
  Top Layer w0.3: v2(38.275,106.825) 30.4,98.95 30.4,90.128 27.95,87.678 27.95,53.525 33.425,48.05 57.875,48.05 62.5,52.675 133.825,52.675 134.231,53.081 135.942,53.081 138.325,55.464 138.325,57.25 140.2,59.125 167.2,59.125 v2(175.15,67.075) ; v2(40.575,106.825) 41.85,106.825 42.825,107.8 43.9,107.8 44.15,107.55 DD1.8@44.15,106.75 ; v2(159.275,94) 161.7,94 164.15,96.45 170.345,96.45 171.8,94.995 171.8,72.25 v2@170.95,71.4
  Bottom Layer w0.3: v2(38.275,106.825) v2(40.575,106.825) ; TP23.1@159.275,86.775 v2(159.275,94) ; v2(170.9,71.325) v2(175.15,67.075)
S\H\D\N\_\D\D\2\: DD2.8 DD3.14 TP24.1 | length 83.9
  Top Layer w0.2: DD3.14@157.9,76.25 157.9,72.45 TP24.1@161.1,69.25
  Top Layer w0.3: DD2.8@146.75,106.15 150.95,106.15 151.7,106.9 165.7,106.9 174.025,98.575 174.025,71.714 168.911,66.6 v2@161.1,66.6
  Bottom Layer w0.3: v2(161.1,66.575) TP24.1@161.1,69.25
SensILoad: C15.2 DD3.11 R13.2 TP22.1 | length 96.4
  Top Layer w0.2: v2(155.633,66.178) 155.633,66.658 155.934,66.959 155.934,74.659 156.4,75.125 DD3.11@156.4,76.25
  Top Layer w0.4: v2@156,61.35 165.924,61.35 175.725,71.151 175.725,100.05 v2(164.2,111.575) v2@164.15,111.625
  Top Layer w0.5: R13.2@157.35,118 159.55,118 C15.2@159.6,118.05 162.05,118.05 TP22.1@163.5,116.6
  Bottom Layer w0.3: v2@156,61.35 v2@156.033,61.383
  Bottom Layer w0.4: v2@155.633,61.383 v2(155.633,66.178) ; TP22.1@163.5,116.6 163.5,112.275 v2(164.2,111.575)
  other v2: 155.633,61.35
SensV_DC/DC: DD3.10 R18.1 R19.2 TP15.1 | length 83.3
  Top Layer w0.2: v2(139.975,67) 141.925,65.05 153.299,65.05 155.434,67.185 155.434,74.884 155.9,75.35 DD3.10@155.9,76.25
  Top Layer w0.3: TP15.1@126.9,105.7 127.125,105.475 130.425,105.475 133.275,102.625 133.275,94.1 132.175,93 v2(132.175,67)
  Top Layer w1: R18.1@126.05,102.96 R19.2@128.15,102.96 126.9,104.21 TP15.1@126.9,105.7
  Bottom Layer w0.3: v2(132.175,67) v2(139.975,67)
SensVin: DD3.8 R1.2 R2.1 TP12.1 | length 158.2
  Top Layer w0.2: v2(153.4,66.353) 153.4,75.9 154.35,76.85 DD3.8@154.8,76.85
  Top Layer w0.4: TP12.1@72.5,115.5 72.5,104.2 86.25,90.45 86.25,64.75 v2(91.3,59.7) ; v2(91.3,53.575) 91.456,53.731 93.031,53.731 135.627,53.802 137.55,55.725 137.55,57.5 141.4,61.35 v2(153.4,61.35) v2@153.457,61.35
  Top Layer w1: R1.2@69.65,115.5 TP12.1@72.5,115.5 R2.1@75.45,115.5
  Bottom Layer w0.4: v2(91.3,53.575) v2(91.3,59.7) ; v2(153.4,61.35) v2@153.4,66.336
SensVreg: DD3.9 R4.2 R5.1 TP11.1 | length 196.9
  Top Layer w0.2: v2(154.5,67.575) 154.5,74.825 155.4,75.725 DD3.9@155.4,76.25
  Top Layer w0.4: TP11.1@94.4,116.6 104.15,116.6 125.5,137.95 158.875,137.95 167.725,129.1 167.725,112.475 178.7,101.5 178.7,72.9 166.2,60.4 154.9,60.4 v2(154.5,60.8)
  Top Layer w1: R5.1@94.4,114.1 TP11.1@94.4,116.6 ; R4.2@94.45,111.4 R5.1@94.45,113.9
  Bottom Layer w0.4: v2(154.5,60.8) v2(154.5,67.575)
SW1: DD3.21 R16.1 TP17.1 | length 170.5
  Top Layer w0.2: DD3.21@159.5,78.85 168.7,78.85 v2(169.55,78)
  Top Layer w0.3: TP17.1@98.6,102.96 97.025,104.535 97.025,112.3 97.925,113.2 101.9,113.2 125.9,137.2 158.375,137.2 166.925,128.65 166.925,112.125 177.7,101.35 v2(177.7,78)
  Top Layer w0.7: TP17.1@98.6,102.96 R16.1@101.65,102.96
  Bottom Layer w0.3: v2(169.55,78) v2(177.7,78)
SW2: DD3.22 R17.1 TP18.1 | length 152.4
  Top Layer w0.2: DD3.22@159.5,79.35 v2(169.55,79.35)
  Top Layer w0.3: R17.1@101.65,111.3 101.65,111.85 126.3,136.5 157.95,136.5 166.2,128.25 166.2,111.875 176.675,101.4 v2@176.675,79.35
  Top Layer w0.7: TP18.1@98.6,111.3 R17.1@101.65,111.3
  Bottom Layer w0.3: v2@169.3,79.35 v2(169.55,79.35) v2@176.675,79.35
  other v2: 176.7,79.35
SWCLK: DD3.24 XP2.4 | length 27.1
  Top Layer w0.2: DD3.24@159.5,80.35 164.2,80.35 168.975,85.125 168.975,88.545 v2(169.55,89.12)
  Bottom Layer w0.3: v2(169.55,89.12) XP2.4@181,89.12
SWDIO: DD3.23 XP2.2 | length 23.2
  Top Layer w0.2: DD3.23@159.5,79.85 165.075,79.85 169.275,84.05 v2(169.55,84.05)
  Bottom Layer w0.3: v2(169.55,84.05) XP2.2@181,84.05
SWO: DD3.26 XP2.6 | length 32
  Top Layer w0.2: DD3.26@158.4,80.95 158.4,82.4 162.7,86.7 162.7,91.866 164.992,94.158 169.508,94.158 v2(169.55,94.2)
  Bottom Layer w0.3: v2(169.55,94.2) XP2.6@181,94.2
TIM1_CH1_PWM: DD3.18 R14.1 XP4.5 | length 109.8
  Top Layer w0.2: DD3.18@159.5,77.35 163.491,77.35 166.475,74.366 v2(166.475,68.7)
  Top Layer w0.3: R14.1@113.5,62.75 113.5,60.65 114.35,59.8 121.05,59.8 126.45,65.2 126.45,66.95 127.3,67.8 130.3,67.8 131.2,66.9 ; XP4.5@128.86,94.82 131.2,92.48 131.2,66.9 ; v2(132.025,65.075) 131.2,65.9 131.2,66.9 ; v2(138.225,65.1) 140.172,63.153 165.228,63.153 166.475,64.4 v2(166.475,65.7)
  Bottom Layer w0.3: v2@132.05,65.1 v2(138.225,65.1) ; v2(166.475,65.7) v2(166.475,68.7)
UART1_RX: DD3.20 XP1.2 | length 23.6
  Top Layer w0.2: DD3.20@159.5,78.35 164.06,78.35 v2(169.25,73.16)
  Bottom Layer w0.3: v2(169.25,73.16) XP1.2@181,73.16
UART1_TX: DD3.19 XP1.1 | length 25
  Top Layer w0.2: DD3.19@159.5,77.85 163.698,77.85 168.4,73.148 v2@168.4,72.3
  Bottom Layer w0.3: v2(168.35,72.25) 168.375,72.225 179.395,72.225 XP1.1@181,70.62
W\L\A\T\_\D\D\1\: DD1.6 DD3.15 TP26.1 | length 233.5
  Top Layer w0.2: DD3.15@158.4,76.25 158.4,74.25 163.1,69.55 v2(163.1,68.675)
  Top Layer w0.3: v2(38.45,108.575) 29.8,99.925 29.8,90.376 27.35,87.926 27.35,53.225 33.125,47.45 58.275,47.45 62.8,51.975 133.975,51.975 134.481,52.481 136.206,52.481 138.925,55.2 138.925,56.9 140.225,58.2 v2(163.1,58.2) v2@163.175,58.2 ; TP26.1@41,108.6 43.9,108.6 44.8,109.5 DD1.6@44.8,112.65
  Bottom Layer w0.3: v2(38.45,108.575) TP26.1@40.975,108.575 ; v2(163.1,58.2) v2(163.1,68.675)
W\L\A\T\_\D\D\2\: DD2.6 DD3.31 R21.1 TP25.1 | length 34
  Top Layer w0.2: R21.1@153.75,86.05 153.75,84.975 155.9,82.825 DD3.31@155.9,80.95
  Top Layer w0.3: DD2.6@152.65,105.5 155.5,105.5 TP25.1@157.8,103.2 157.8,97.6 154.9,94.7 v2(154.8,94.7) ; v2(153.1,87.329) 153.229,87.329 153.75,86.809 R21.1@153.75,86.05
  Bottom Layer w0.3: v2(153.1,87.329) 151.2,89.229 151.2,92.225 153.675,94.7 v2(154.8,94.7) v2@154.7,94.6
pads on no net: DA1.4 DA1.5 DA4.3 DA4.6 DA4.7 DA4.10 DA4.11 DA4.12 DD1.7 DD2.7 VD3.3 VT1.4 VT1.5 VT2.4 VT2.5

## Polygon pours and split planes (outlines as drawn)
+24V on Top Layer "+24V" (solid, remove dead copper, pour order 2): 30.305,62.505 29.6,61.8 29.6,54.3 34.3,49.6 47.8,49.6 48.3,50.1 48.3,63.5 47.8,64 39.9,64 38.5,62.6
+Vin_PolProt on Top Layer "+Vin_PolProt" (solid, remove dead copper, pour order 4): 48.8,61.7 48.8,67.2 48.9,67.6 48.9,70.9 49.3,71.3 60.2,71.3 60.7,70.8 60.7,63.5 60.2,63 58.9,63 57,61.1 49.3,61.1
+Vin_PolProt_Isens on Top Layer "+Vin_PolProt_Isens" (solid, remove dead copper, pour order 6): 49.3,71.8 48.9,72.2 48.9,75.6 52,78.7 52,80.2 53.2,81.4 53.2,86.1 51.2,88.1 51.2,91.3 51.7,91.8 54.7,91.8 55.2,91.3 55.2,89.141 57.05,87.4 59.8,87.4 60.8,86.4 60.8,72.4 60.2,71.8
+24V_Protect on Top Layer "+24V_Protect" (solid, remove dead copper, pour order 8): 55.7,89.242 55.7,95.5 53.5,97.7 53.5,105.2 55.6,107.3 59.2,107.3 60.6,108.7 60.6,113.8 73.4,126.6 73.4,129.7 73.7,130 75.8,130 76.1,129.7 76.1,125.4 75.2,124.5 75.2,123 68.5,116.3 68.5,114.6 71.8,111.3 71.8,103.9 78.3,97.4 78.3,94.6 77.8,94.1 69.6,94.1 67.4,96.3 65.4,96.3 64.6,95.5 64.6,88.8 63.7,87.9 57.164,87.9
+Vvar on Top Layer "+Vvar" (solid, remove dead copper, pour order 10): 73.1,127 71.9,125.8 71,125.8 70.8,126 70.8,129.5 70.4,129.9 70.4,133.4 71,134 79.1,134 81.95,134 82.5,133.56 82.5,130.7 83.9,129.3 88.781,129.3 89.525,128.705 89.525,114.575 93.1,111 93.1,109.5 94.7,107.9 94.7,105.4 93.9,104.6 91.6,104.6 91,104 91,79.8 91.8,79 99.2,79 99.5,78.7 99.5,77 99.1,76.6 96.1,76.6 95.7,76.2 88.1,76.2 87.5,76.8 87.5,107 86.92,107.58 80.413,107.702 79.901,108.298 79.8,115.4 79.8,124.6 79.2,125.1 77,125.1 76.6,125.4 76.6,130.1 76.2,130.5 73.4,130.5 73.1,130.2
NetC18_1 on Top Layer "NetC18_1" (solid, remove dead copper, pour order 12): 96.1,79.3 95.8,79.6 95.8,82.1 96.1,82.4 101.6,82.4 101.9,82.1 101.9,81 102.1,80.8 108.9,80.8 109.3,80.4 109.3,77.1 109.7,76.7 109.7,75.3 109.4,75 106.9,75 106.6,75.3 106.6,76.6 106.3,76.9 100.6,76.9 100.2,77.3 100.2,79.1 100,79.3
NetDA6_3 on Top Layer "NetDA6_3" (solid, remove dead copper, pour order 14): 109.9,80.4 110.3,80.8 112.2,80.8 112.2,80.9 112.5,81.2 112.5,82.2 113,82.7 126.4,82.7 126.9,82.2 126.9,77.5 126.4,77 110.2,77 109.9,77.3
+Vdc_dc on Top Layer "+Vdc_dc" (solid, remove dead copper, pour order 16): 114.4,87.9 113.9,88.4 113.9,92.1 114.4,92.6 116.6,92.6 117.5,93.5 117.5,103.2 115.8,104.9 114.3,104.9 113.8,105.4 113.8,108.4 114.3,108.9 120.3,108.9 121,109.6 121,127.4 122.7,129.1 130.2,129.1 131.7,130.6 131.7,133.7 132.3,134.3 142.4,134.3 142.9,133.8 142.9,125.9 142.6,125.6 140.9,125.6 140.6,125.9 140.6,128.9 140.4,129.1 137.8,129.1 137.6,128.9 137.6,126.1 129.8,118.3 129.8,108.4 129.1,107.7 125.1,107.7 124.8,107.4 124.8,98.5 125.3,98 125.3,96.6 126.4,96.6 126.9,96.1 126.9,88.3 126.5,87.9
NetDA2_6 on Top Layer "NetDA2_6" (solid, remove dead copper, pour order 18): 143.2,129.4 143.6,129.8 146.3,129.8 146.7,129.4 146.7,119.3 146.4,119 140,119 139.5,118.5 139.5,114.5 139.2,114.2 136.3,114.2 135.9,114.6 135.9,114.9 135.5,115.3 135.5,120.8 139.8,125.1 142.8,125.1 143.2,125.5
GND on Top Layer "GND Top" (solid, remove dead copper, pour order 20): 25,45 25,145 185,145 185,45
GND on Bottom Layer "GND" (solid, remove dead copper, pour order 0): 25,45 25,145 185,145 185,45

## Silkscreen, mask and mechanical layers (free items; w line width, h text height)
Top Overlay:
  drawing of 112 lines, arcs and shapes, not listed
  text "Funded within the framework of the NGI Search project under grant agreementNo 101069364" at 96.6,141.7 h1
Board:
  the board outline again, w0.2
Mechanical 20:
  lines w0.05: 167.215,48.58 167.215,54.16 ; 167.222,48.58 148.585,48.58 148.585,54.16 167.222,54.16